# Allegro board HY_4S_V10.brd
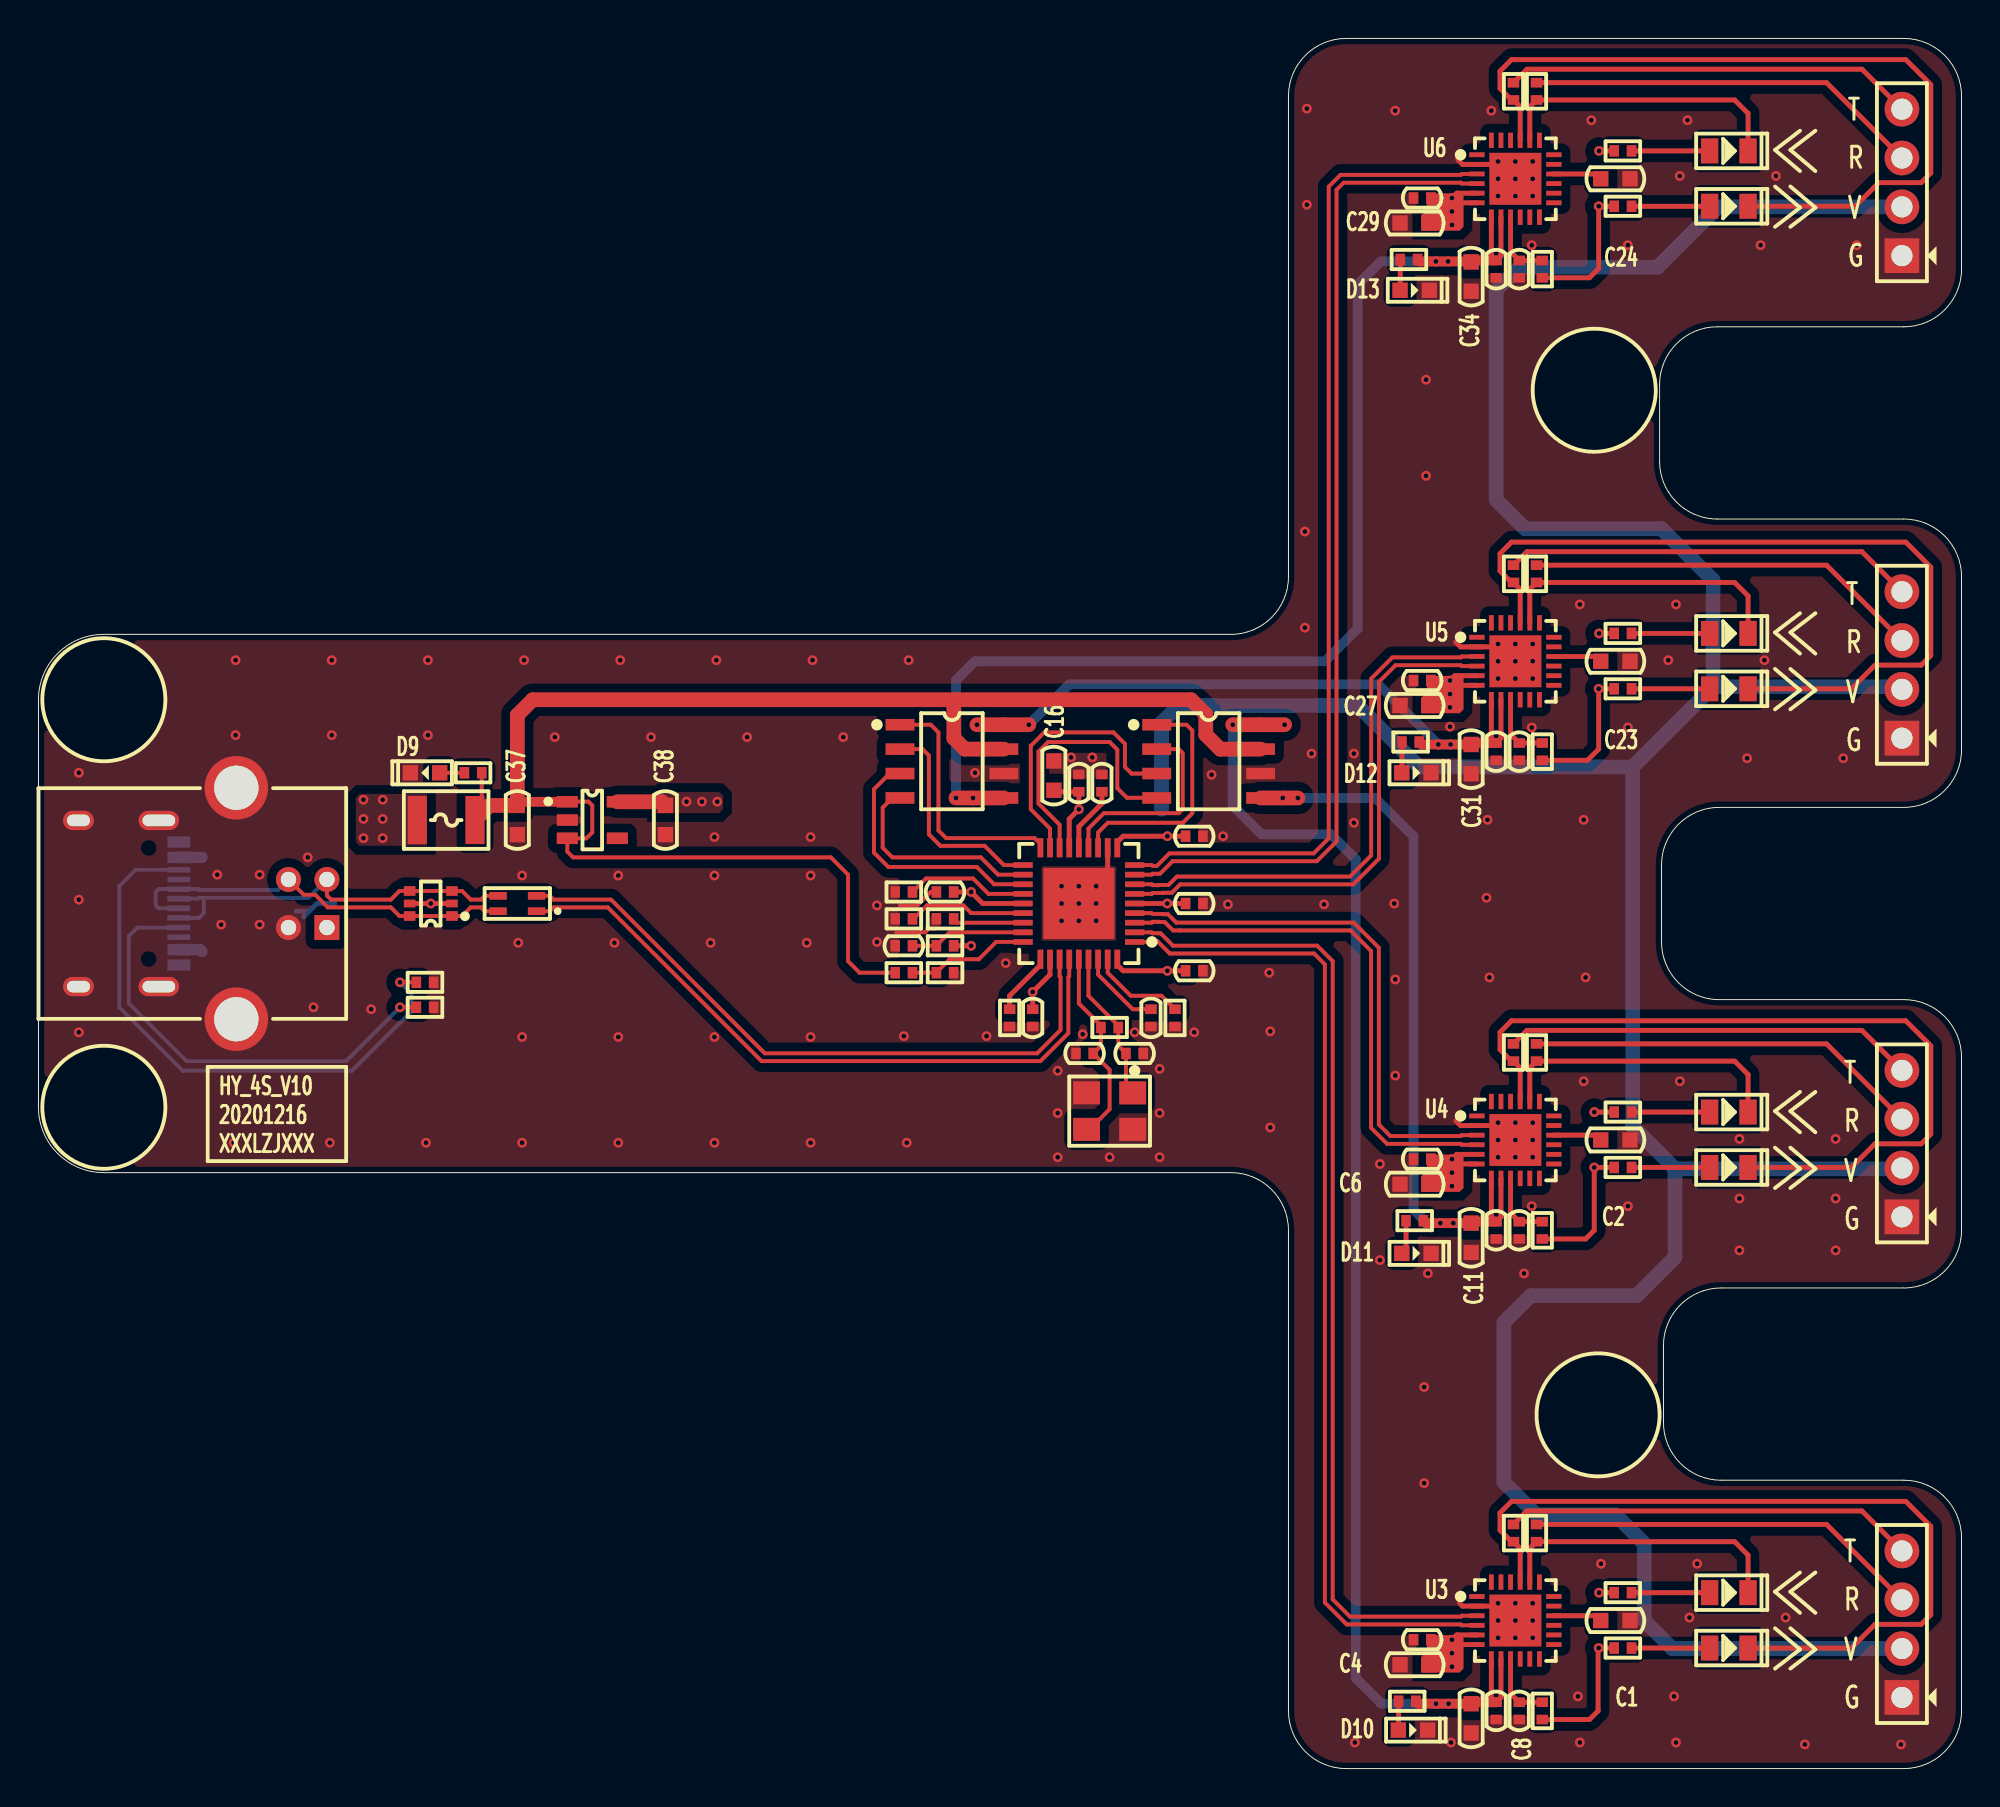
[diagram p0: board, top side]
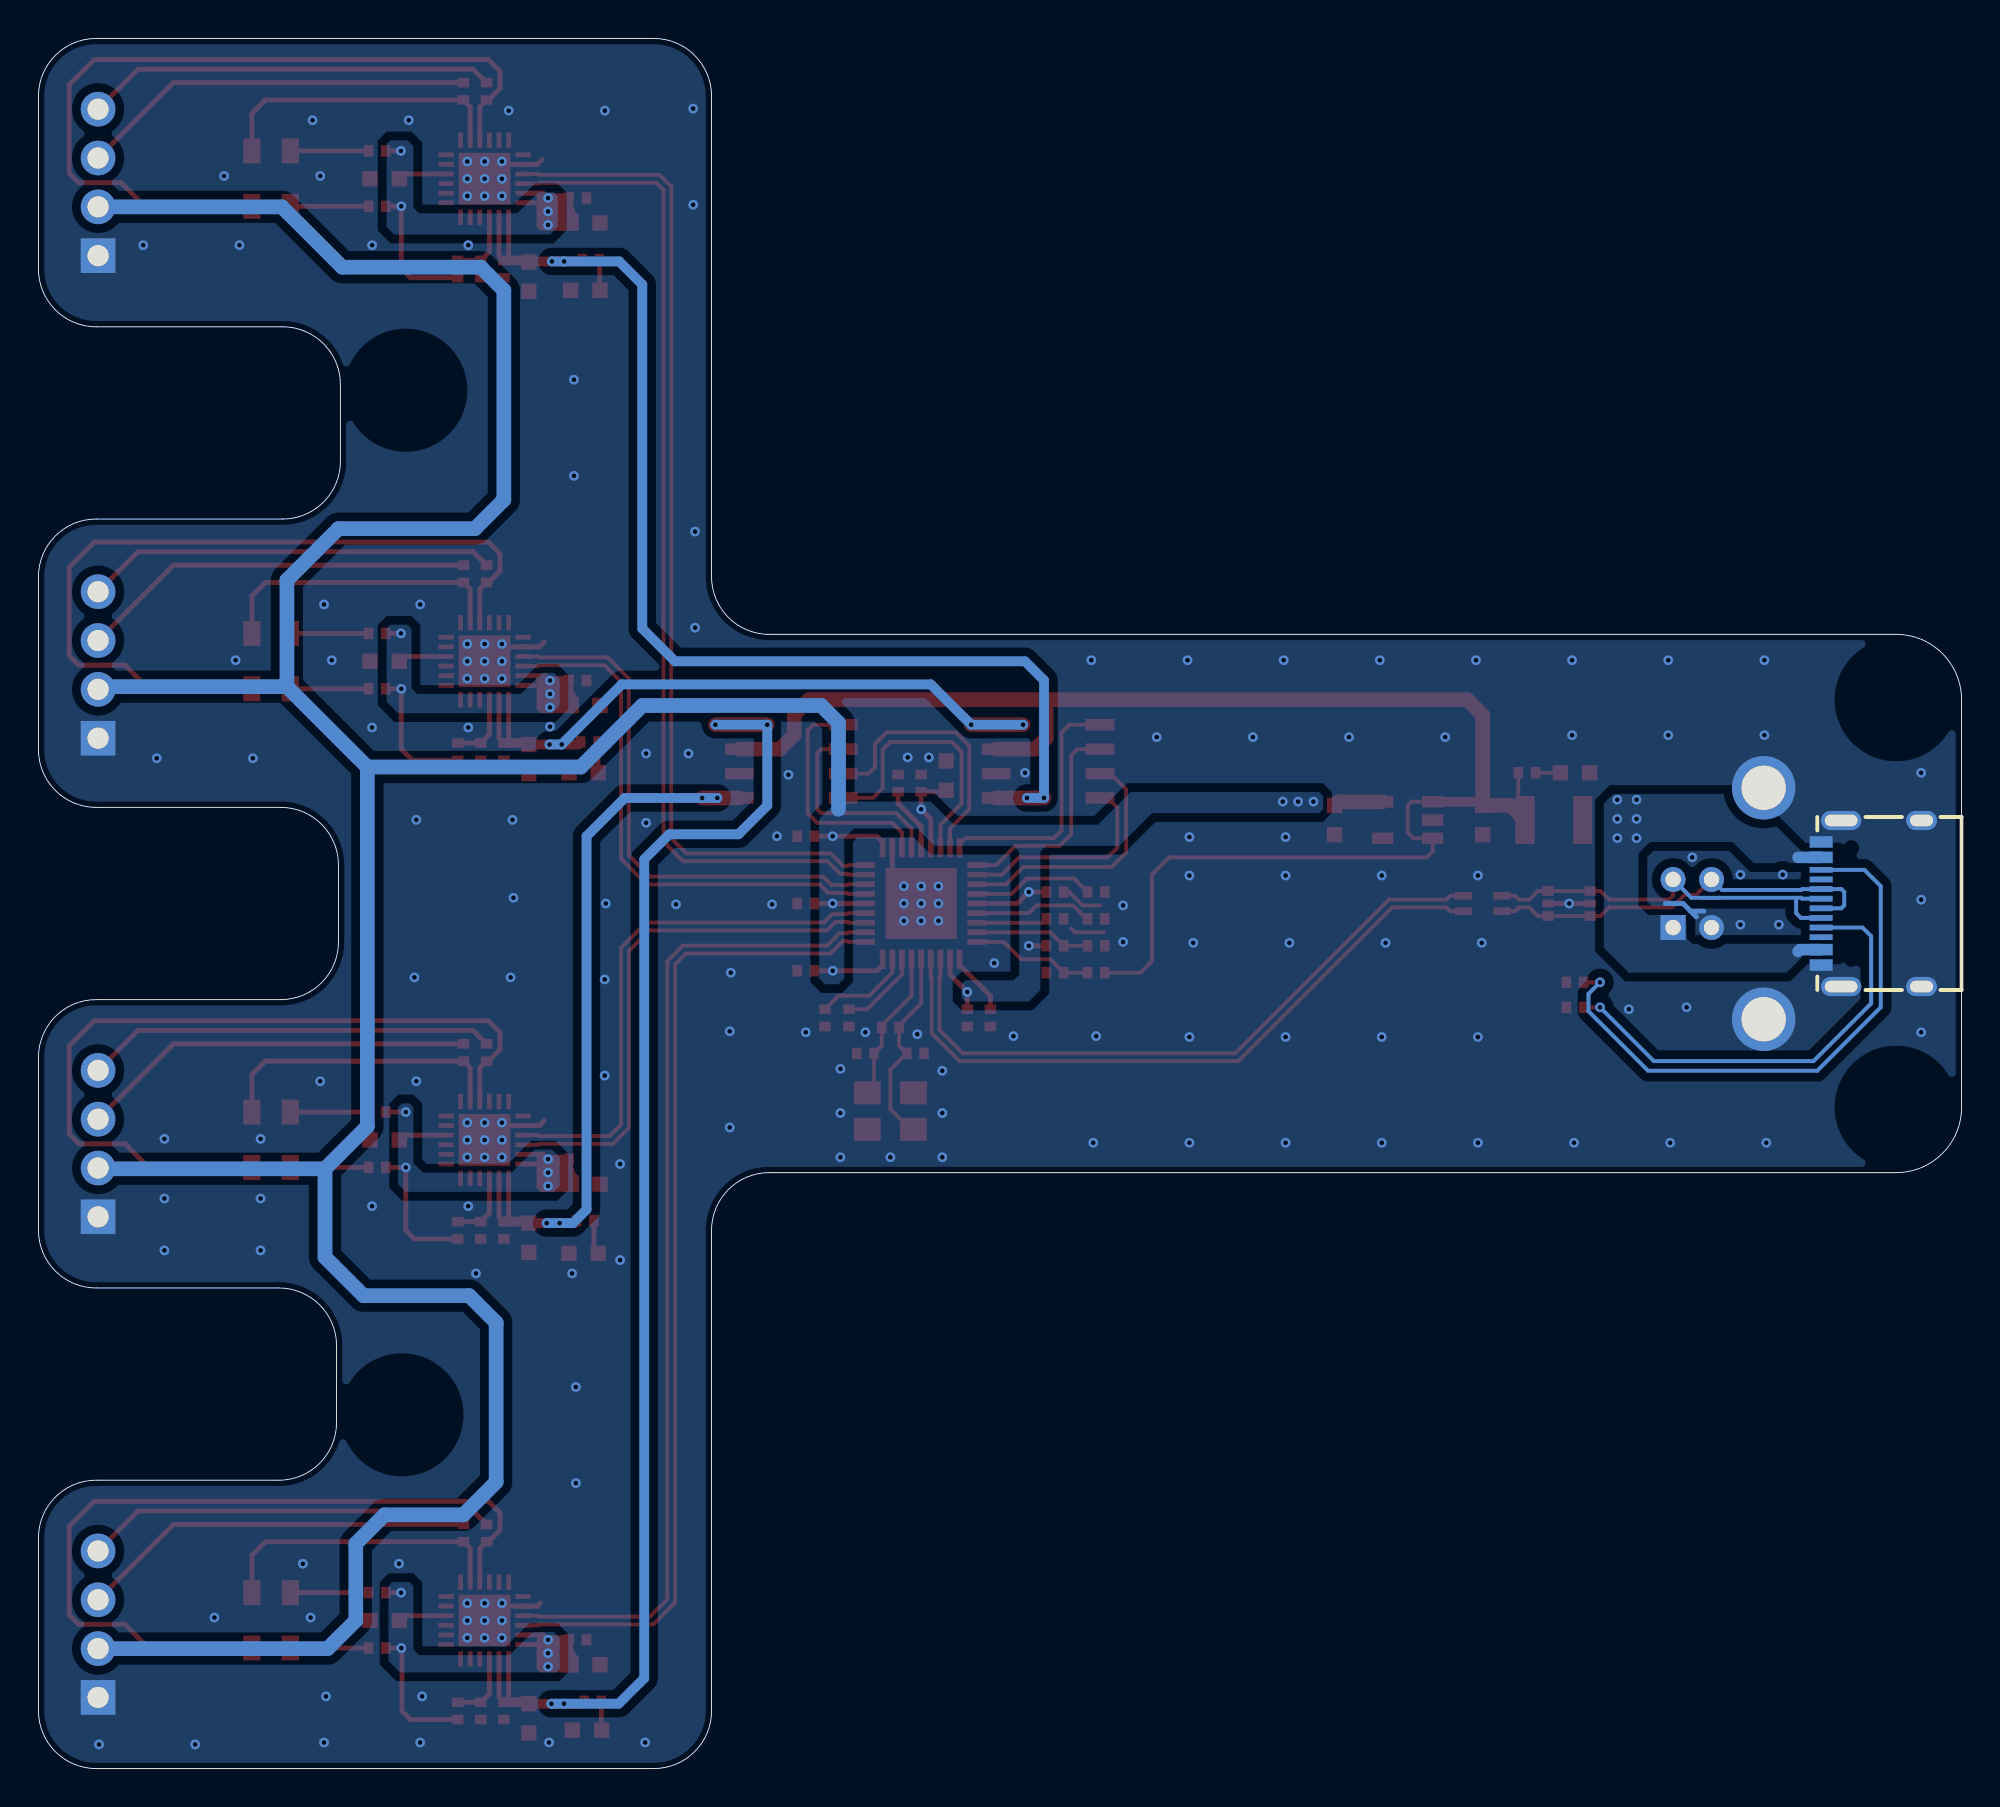
[diagram p1: board, bottom side, seen from below]

Outline 100 x 90 mm; copper layers: TOP, BOTTOM. Coordinates in mm from the lower left corner of the outline.
Outline path: 0,55.6 0,34.4 arc(1,32) 3.4,31 62,31 arc(64.12,30.12) 65,28 65,3 arc(65.88,0.88) 68,0 97,0 arc(99.12,0.88) 100,3 100,12 arc(99.12,14.12) 97,15 87.5,15 arc(85.38,15.88) 84.5,18 84.5,22 arc(85.38,24.12) 87.5,25 97,25 arc(99.12,25.88) 100,28 100,37 arc(99.12,39.12) 97,40 87.4,40 arc(85.28,40.88) 84.4,43 84.4,47 arc(85.28,49.12) 87.4,50 97,50 arc(99.12,50.88) 100,53 100,62 arc(99.12,64.12) 97,65 87.3,65 arc(85.18,65.88) 84.3,68 84.3,72 arc(85.18,74.12) 87.3,75 97,75 arc(99.12,75.88) 100,78 100,87 arc(99.12,89.12) 97,90 68,90 arc(65.88,89.12) 65,87 65,62 arc(64.12,59.88) 62,59 3.4,59 arc(1,58) 0,55.6

## Design rules (mm)
constraint set DEFAULT: min track width 0.203, pair gap 0.203
net group DIFFPAIR0: nets USBDN2_DM USBDN2_DP
net group DIFFPAIR1: nets USBDN3_DM USBDN3_DP
net group DIFFPAIR2: nets USBDN4_DM USBDN4_DP
net group USB_D: nets USB_DM USB_DP
net group USBDN1_D: nets USBDN1_DM USBDN1_DP
net group USBUP_D: nets USBUP_DM USBUP_DP

## Placement (name value [footprint] x y rotation side)
C1  10uF_10V  [C0603]  82 7.7 180 top
C2  10uF_10V  [C0603]  82 32.7 180 top
C3  100nF_50V  [C0402]  45 42.8 0 top
C4  10uF_10V  [C0603]  71.56 5.4 0 top
C5  100nF_50V  [C0402]  71.95 6.7 0 top
C6  10uF_10V  [C0603]  71.56 30.4 0 top
C7  100nF_50V  [C0402]  71.95 31.7 0 top
C8  10uF_10V  [C0603]  74.5 2.61 90 top
C9  100nF_50V  [C0402]  75.8 3 90 top
C10  100nF_50V  [C0402]  77 3 90 top
C11  10uF_10V  [C0603]  74.5 27.61 90 top
C12  100nF_50V  [C0402]  75.8 28 90 top
C13  100nF_50V  [C0402]  77 28 90 top
C14  100nF_50V  [C0402]  47.14 45.6 0 top
C15  100nF_50V  [C0402]  54.1 51.26 270 top
C16  10uF_10V  [C0603]  52.8 51.65 90 top
C17  100nF_50V  [C0402]  57.85 39.05 90 top
C18  100nF_50V  [C0402]  51.7 39.05 90 top
C19  100nF_50V  [C0402]  60.1 41.5 180 top
C20  100nF_50V  [C0402]  60.1 45 180 top
C21  100nF_50V  [C0402]  60.1 48.5 180 top
C22  100nF_50V  [C0402]  55.3 51.26 270 top
C23  10uF_10V  [C0603]  82 57.6 180 top
C24  10uF_10V  [C0603]  82 82.7 180 top
C25  12pF_50V  [C0402]  57 37.2 180 top
C26  12pF_50V  [C0402]  54.4 37.2 0 top
C27  10uF_10V  [C0603]  71.56 55.3 0 top
C28  100nF_50V  [C0402]  71.95 56.6 0 top
C29  10uF_10V  [C0603]  71.56 80.4 0 top
C30  100nF_50V  [C0402]  71.95 81.7 0 top
C31  10uF_10V  [C0603]  74.5 52.51 90 top
C32  100nF_50V  [C0402]  75.8 52.9 90 top
C33  100nF_50V  [C0402]  77 52.9 90 top
C34  10uF_10V  [C0603]  74.5 77.61 90 top
C35  100nF_50V  [C0402]  75.8 78 90 top
C36  100nF_50V  [C0402]  77 78 90 top
C37  10uF_10V  [C0603]  24.9 49.34 270 top
C38  10uF_10V  [C0603]  32.6 49.34 270 top
D1  LED_RED  [LED0805]  87.9 6.27 0 top
D2  LED_RED  [LED0805]  87.9 31.27 0 top
D3  LED_GREEN  [LED0805]  87.9 9.15 0 top
D4  LED_GREEN  [LED0805]  87.9 34.15 0 top
D5  LED_RED  [LED0805]  87.9 56.17 0 top
D6  LED_RED  [LED0805]  87.9 81.27 0 top
D7  LED_GREEN  [LED0805]  87.9 59.05 0 top
D8  LED_GREEN  [LED0805]  87.9 84.15 0 top
D9  LED_GREEN  [LED0603]  20.1 51.8 180 top
D10  LED_GREEN  [LED0603]  71.48 2 0 top
D11  LED_GREEN  [LED0603]  71.65 26.8 0 top
D12  LED_GREEN  [LED0603]  71.65 51.8 0 top
D13  LED_GREEN  [LED0603]  71.56 76.9 0 top
F1  SMD1210-200  [FUSE1210]  21.2 49.34 180 top
J1  -  [CN1X4-2P54-Z]  96.9 3.7 90 top
J2  -  [CN1X4-2P54-Z]  96.9 28.7 90 top
J3  -  [CN1X4-2P54-Z]  96.9 53.6 90 top
J4  -  [CN1X4-2P54-Z]  96.9 78.7 90 top
L1  ACM2012-900-2P-T002  [ACM2012]  24.9 45 180 top
NOREF  -  []  0 0 90 top
NOREF#2  -  []  0 0 0 top
R1  100K  [R0402]  45 41.4 0 top
R2  4.7K  [R0402]  20.1 39.6 180 top
R3  100K  [R0402]  47.14 41.4 180 top
R4  4.7K/NI  [R0402]  20.1 40.9 0 top
R5  4.7K  [R0402]  82.39 6.27 180 top
R6  4.7K  [R0402]  82.39 31.27 180 top
R7  4.7K  [R0402]  82.39 9.15 180 top
R8  4.7K  [R0402]  82.39 34.15 180 top
R9  1K  [R0402]  76.7 12.25 270 top
R10  1K  [R0402]  76.7 37.25 270 top
R11  100K  [R0402]  45 45.6 0 top
R12  1K  [R0402]  77.9 12.25 270 top
R13  1K  [R0402]  77.9 37.25 270 top
R14  100K  [R0402]  45 44.2 0 top
R15  100K  [R0402]  47.14 44.2 0 top
R16  100K  [R0402]  50.5 39.05 90 top
R17  100K  [R0402]  47.14 42.8 180 top
R18  12K  [R0402]  59.1 39.05 270 top
R19  10K  [R0402]  78.2 3 270 top
R20  10K  [R0402]  78.2 28 270 top
R21  4.7K  [R0402]  82.39 56.17 180 top
R22  4.7K  [R0402]  82.39 81.27 180 top
R23  4.7K  [R0402]  82.39 59.05 180 top
R24  4.7K  [R0402]  82.39 84.15 180 top
R25  1K  [R0402]  76.7 62.15 270 top
R26  1K  [R0402]  76.7 87.25 270 top
R27  1K  [R0402]  77.9 62.15 270 top
R28  1K  [R0402]  77.9 87.25 270 top
R29  10K  [R0402]  22.6 51.8 0 top
R30  10K  [R0402]  71.18 3.5 0 top
R31  1M  [R0402]  55.7 38.55 0 top
R32  10K  [R0402]  71.56 28.5 0 top
R33  10K  [R0402]  71.35 53.4 0 top
R34  10K  [R0402]  78.2 52.9 270 top
R35  10K  [R0402]  78.2 78 270 top
R36  10K  [R0402]  71.26 78.5 0 top
U1  USB2514B_QFN36_MIN  [QFN36-6X6X0R5-3R7X3R7]  54.1 45 90 top
U2  TPD4E1U06DCKR  [SOT363]  20.4 45 90 top
U3  CP2104-F03-GM  [QFN24-4X4X0R5-2R7X2R7]  76.8 7.7 270 top
U4  CP2104-F03-GM  [QFN24-4X4X0R5-2R7X2R7]  76.8 32.7 270 top
U5  CP2104-F03-GM  [QFN24-4X4X0R5-2R7X2R7]  76.8 57.6 270 top
U6  CP2104-F03-GM  [QFN24-4X4X0R5-2R7X2R7]  76.8 82.7 270 top
U7  NX3225GA-24MHZ  [X-4P-3R2X2R5-SMD]  55.7 34.2 180 top
U8  MIC2026-1YM  [SOIC8]  60.85 52.4 270 top
U9  SPX3819M5-L-3-3/TR  [SOT23-5]  28.8 49.34 270 top
U10  MIC2026-1YM  [SOIC8]  47.5 52.4 270 top
USB1  -  [TYPE-C-31-M-12]  7.3 45 90 bottom
USB2  -  [USB-B]  15 45 180 top

## Library data of the parts
C1 C2 C4-C13 C16 C23-C38 = CAP NP_2
C3 C14 C15 C17-C22 = CAP NP
D1-D13 = LED_4
F1 = FUSE
J1-J4 = CONN RCPT 4
L1 = 744822222_0
R1-R36 = R_Generic
U1 = USB2514B_QFN36_MIN
U2 = TPD4E1U06DBVR
U3-U6 = CP2104-F03-GM
U7 = TSX-3225
U8 U10 = MIC2026-1YM
U9 = SPX3819M5-L-1-2
USB1 = TYPE-C_16P
USB2 = USB-B

## Footprints (pads in the part's own frame, mm; a bottom-side part is the same pattern mirrored in y, then rotated)
ACM2012
  rect 0.9x0.4 smd: 1(-1,0.4) 2(-1,-0.4) 3(1,-0.4) 4(1,0.4)
C0402
  rect 0.5x0.6 smd: 1(-0.45,0) 2(0.45,0)
C0603
  rect 0.8x0.8 smd: 1(-0.762,0) 2(0.762,0)
CN1X4-2P54-Z
  rect 1.8x1.8 hole 1.1: 1(0,0)
  round 1.8 hole 1.1: 2(2.54,0) 3(5.08,0) 4(7.62,0)
FUSE1210
  rect 1x2.5 smd: 1(-1.5,0) 2(1.5,0)
LED0603
  rect 0.8x0.8 smd: 1(-0.762,0) 2(0.762,0)
LED0805
  rect 0.9x1.3 smd: 1(-1,0) 2(1,0)
QFN24-4X4X0R5-2R7X2R7
  rect 0.25x0.8 smd: 1(-1.25,-2) 2(-0.75,-2) 3(-0.25,-2) 4(0.25,-2) 5(0.75,-2) 6(1.25,-2) 13(1.25,2) 14(0.75,2) 15(0.25,2) 16(-0.25,2) 17(-0.75,2) 18(-1.25,2)
  rect 0.8x0.25 smd: 7(2,-1.25) 8(2,-0.75) 9(2,-0.25) 10(2,0.25) 11(2,0.75) 12(2,1.25) 19(-2,1.25) 20(-2,0.75) 21(-2,0.25) 22(-2,-0.25) 23(-2,-0.75) 24(-2,-1.25)
  rect 2.7x2.7 smd: 25(0,0)
QFN36-6X6X0R5-3R7X3R7
  rect 0.3x1 smd: 1(-2,-2.9) 2(-1.5,-2.9) 3(-1,-2.9) 4(-0.5,-2.9) 5(0,-2.9) 6(0.5,-2.9) 7(1,-2.9) 8(1.5,-2.9) 9(2,-2.9) 19(2,2.9) 20(1.5,2.9) 21(1,2.9) 22(0.5,2.9) 23(0,2.9) 24(-0.5,2.9) 25(-1,2.9) 26(-1.5,2.9) 27(-2,2.9)
  rect 1x0.3 smd: 10(2.9,-2) 11(2.9,-1.5) 12(2.9,-1) 13(2.9,-0.5) 14(2.9,0) 15(2.9,0.5) 16(2.9,1) 17(2.9,1.5) 18(2.9,2) 28(-2.9,2) 29(-2.9,1.5) 30(-2.9,1) 31(-2.9,0.5) 32(-2.9,0) 33(-2.9,-0.5) 34(-2.9,-1) 35(-2.9,-1.5) 36(-2.9,-2)
  rect 3.7x3.7 smd: 37(0,0)
R0402
  rect 0.5x0.6 smd: 1(-0.45,0) 2(0.45,0)
SOIC8
  rect 0.6x1.5 smd: 1(-1.9,-2.7) 2(-0.63,-2.7) 3(0.64,-2.7) 4(1.91,-2.7) 5(1.91,2.7) 6(0.64,2.7) 7(-0.63,2.7) 8(-1.9,2.7)
SOT23-5
  rect 0.6x1.1 smd: 1(-0.95,-1.3) 2(0,-1.3) 3(0.95,-1.3) 4(0.95,1.3) 5(-0.95,1.3)
SOT363
  rect 0.5x0.6 smd: 1(-0.65,-1.1) 3(0.65,-1.1) 4(0.65,1.1) 6(-0.65,1.1)
  rect 0.4x0.6 smd: 2(0,-1.1) 5(0,1.1)
TYPE-C-31-M-12
  rect 0.6x1.2 smd: 1(-3.2,0) 2(-2.4,0) 11(2.4,0) 12(3.2,0)
  rect 0.3x1.2 smd: 3(-1.75,0) 4(-1.25,0) 5(-0.75,0) 6(-0.25,0) 7(0.25,0) 8(0.75,0) 9(1.25,0) 10(1.75,0)
  oval 1x2.1 hole 0.6x1.7: 13(-4.32,-1.04) 14(4.32,-1.04)
  oval 1x1.6 hole 0.6x1.2: 15(-4.32,-5.22) 16(4.32,-5.22)
USB-B
  rect 1.3x1.3 hole 0.8: 1(0,1.25)
  round 1.3 hole 0.8: 2(0,-1.25) 3(2,-1.25) 4(2,1.25)
  round 3.3 hole 2.3: 5(4.71,6.02) 6(4.71,-6.02)
X-4P-3R2X2R5-SMD
  rect 1.4x1.2 smd: 1(-1.2,-0.95) 2(1.2,-0.95) 3(1.2,0.95) 4(-1.2,0.95)

## Nets
GND: C1.1 C2.1 C3.1 C4.1 C5.1 C6.1 C7.1 C8.1 C9.1 C10.1 C11.1 C12.1 C13.1 C14.1 C15.1 C16.2 C17.1 C18.1 C19.1 C20.1 C21.1 C22.1 C23.1 C24.1 C25.1 C26.1 C27.1 C28.1 C29.1 C30.1 C31.1 C32.1 C33.1 C34.1 C35.1 C36.1 C37.2 C38.2 D9.2(CATHODE) D10.2(CATHODE) D11.2(CATHODE) D12.2(CATHODE) D13.2(CATHODE) J1.1 J2.1 J3.1 J4.1 R2.1 R3.1 R4.2 R11.1 R14.1 R15.1 R16.1 R18.2 U1.11 U1.37 U2.2 U2.5(NC) U3.2 U3.25 U4.2 U4.25 U5.2 U5.25 U6.2 U6.25 U7.2 U7.4 U8.6 U9.2 U10.6 USB1.1 USB1.12 USB1.13 USB1.14 USB1.15 USB1.16 USB2.4 USB2.5 USB2.6
VCC_3.3V: C14.2 C15.2 C16.1 C18.2 C19.2 C20.2 C21.2 C38.1 J1.2 J2.2 J3.2 J4.2 R17.1 U1.5 U1.10 U1.15 U1.23 U1.29 U1.36 U9.5(VOUT)
VCC_3.3V_1: C4.2 C5.2 R5.2 R7.2 R19.2 U3.5 U3.6
VCC_3.3V_2: C6.2 C7.2 R6.2 R8.2 R20.2 U4.5 U4.6
VCC_3.3V_3: C27.2 C28.2 R21.2 R23.2 R34.2 U5.5 U5.6
VCC_3.3V_4: C29.2 C30.2 R22.2 R24.2 R35.2 U6.5 U6.6
VCC_5V_VBUS: C37.1 F1.1 R1.1 R29.2 U8.7 U9.1 U9.3 U10.7
VCC_PWR1: C8.2 C9.2 R30.2 U3.7 U3.8 U8.8
VCC_PWR2: C11.2 C12.2 R32.2 U4.7 U4.8 U8.5(OUTB)
VCC_PWR3: C31.2 C32.2 R33.2 U5.7 U5.8 U10.8
VCC_PWR4: C34.2 C35.2 R36.2 U6.7 U6.8 U10.5(OUTB)
VCC_VBUS: F1.2 USB1.2 USB1.11(VBUS2) USB2.1(VBUS)
1_RX: J1.3 R12.1
1_RXD: D3.2(CATHODE) R12.2 U3.20
1_TX: J1.4 R9.1
1_TXD: D1.2(CATHODE) R9.2 U3.21
2_RX: J2.3 R13.1
2_RXD: D4.2(CATHODE) R13.2 U4.20
2_TX: J2.4 R10.1
2_TXD: D2.2(CATHODE) R10.2 U4.21
3_RX: J3.3 R27.1
3_RXD: D7.2(CATHODE) R27.2 U5.20
3_TX: J3.4 R25.1
3_TXD: D5.2(CATHODE) R25.2 U5.21
4_RX: J4.3 R28.1
4_RXD: D8.2(CATHODE) R28.2 U6.20
4_TX: J4.4 R26.1
4_TXD: D6.2(CATHODE) R26.2 U6.21
OCS_N1: U1.13 U8.2
OCS_N2: U1.17 U8.3
OCS_N3: U1.19 U10.2
OCS_N4: U1.21 U10.3
PRTPWR1: U1.12 U8.1
PRTPWR2: U1.16 U8.4
PRTPWR3: U1.18 U10.1
PRTPWR4: U1.20 U10.4
RESETN: C3.2 R17.2 U1.26
USB_DM: L1.3 U2.3 U2.4 USB1.5 USB1.7 USB2.2
USB_DP: L1.4 U2.1 U2.6 USB1.6 USB1.8 USB2.3
USBDN1_DM: U1.1 U3.4
USBDN1_DP: U1.2 U3.3
USBDN2_DM: U1.3 U4.4
USBDN2_DP: U1.4 U4.3
USBDN3_DM: U1.6 U5.4
USBDN3_DP: U1.7 U5.3
USBDN4_DM: U1.8 U6.4
USBDN4_DP: U1.9 U6.3
USBUP_DM: L1.2 U1.30
USBUP_DP: L1.1 U1.31
XTAL1: C25.2 R31.2 U1.33 U7.1
XTAL2: C26.2 R31.1 U1.32(XTAL2/CLKIN_EN) U7.3(OUT2)
N17371022: D9.1 R29.1
N17384741: R1.2 R3.2 U1.27
N17384990: R16.2 U1.28
N17385565: C17.2 U1.34
N17385621: C22.2 U1.14
N17386850: R18.1 U1.35
N17387208: R11.2 U1.22
N17387211: R14.2 U1.24
N17387214: R15.2 U1.25
N17388288: D10.1 R30.1
N17388415: D11.1 R32.1
N17388544: D12.1 R33.1
N17388675: D13.1 R36.1
N17394522: R2.2 USB1.4
N17394640: R4.1 USB1.10
N17411939: C1.2 U3.16(VPP)
N17412003: C10.2 R19.1 U3.9
N17413251: D1.1 R5.1
N17413274: D3.1 R7.1
N17417091: D2.1 R6.1
N17417138: D4.1 R8.1
N17417225: C2.2 U4.16(VPP)
N17417293: C13.2 R20.1 U4.9
N17418237: D5.1 R21.1
N17418261: D6.1 R22.1
N17418335: D7.1 R23.1
N17418345: D8.1 R24.1
N17418508: C23.2 U5.16(VPP)
N17418513: C24.2 U6.16(VPP)
N17418635: C33.2 R34.1 U5.9
N17418661: C36.2 R35.1 U6.9

Pads without a net: U3 1 10 11 12 13 14 15 17 18 19 22 23 24; U4 1 10 11 12 13 14 15 17 18 19 22 23 24; U5 1 10 11 12 13 14 15 17 18 19 22 23 24; U6 1 10 11 12 13 14 15 17 18 19 22 23 24; U9 4; USB1 3 9

## Via types
v1: diameter 0.508, hole 0.254, TOP to BOTTOM, 236 vias

## Routing (per net, layer and track width the routed paths; a pad name or vN(x,y) marks a point on that pad's centre or on a via; arc(x,y) is an arc through that point)
GND: length 21.4
  TOP w0.203: 44.8,44.9 45.7,44.9 46.4,45.6 46.69,45.6 ; 46.3,43.7 46.1,43.5 44.6,43.5
  TOP w0.254: 73.8,83.7 74.05,83.45 U6.2 75.75,83.45 v1(75.9,83.6) ; v1(75.9,33.6) 75.75,33.45 U4.2 73.95,33.45 73.7,33.7 ; U2.5 v1(20.4,45) U2.2 ; 73.7,58.6 73.95,58.35 U5.2 75.75,58.35 v1(75.9,58.5) ; v1(75.9,8.6) 75.75,8.45 U3.2 74.05,8.45 73.9,8.6 ; U1.11 55.6,46.5 v1(55,45.9) v1(54.1,45)
  BOTTOM w0.254: 15.4,45 14.48,45 14.08,44.6 ; 13.4,44.6 14.08,44.6 ; 14.08,44.6 13.8,44.32 13.8,44.3
  vias: v1(2.1,51.8) v1(2.1,45.2) v1(2.1,38.3) v1(9.3,46.5) v1(9.5,43.9) v1(10.15,32.56) v1(10.25,57.66) v1(10.25,53.76) v1(11.5,46.5) v1(11.5,43.9) v1(14,47.4) v1(14.3,39.6) v1(15.15,32.56) v1(15.25,57.66) v1(15.25,53.76) v1(17.3,39.5) v1(20.15,32.56) v1(20.25,57.66) v1(20.25,53.76) v1(24.95,42.96) v1(25.15,46.46) v1(25.15,38.06) v1(25.15,32.56) v1(25.25,57.66) v1(26.85,53.66) v1(29.95,42.96) v1(30.15,46.46) v1(30.15,38.06) v1(30.15,32.56) v1(30.25,57.66) v1(31.85,53.66) v1(34.95,42.96) v1(35.15,48.46) v1(35.15,46.46) v1(35.15,38.06) v1(35.15,32.56) v1(35.25,57.66) v1(36.85,53.66) v1(39.95,42.96) v1(40.15,48.46) v1(40.15,46.46) v1(40.15,38.06) v1(40.15,32.56) v1(40.25,57.66) v1(41.85,53.66) v1(43.6,44.9) v1(43.6,43) v1(45,38.1) v1(45.15,32.56) v1(45.25,57.66) v1(48.7,51.8) v1(49.3,38.1) v1(50.3,41.9) v1(53,36.3) v1(53,34.1) v1(53,31.8) v1(53.2,45.9) v1(53.2,45) v1(53.2,44.1) v1(53.7,52.6) v1(54.1,45.9) v1(54.1,44.1) v1(54.3,38.2) v1(54.8,52.6) v1(55,45) v1(55,44.1) v1(55.7,31.8) v1(57,38.3) v1(58.3,36.4) v1(58.3,34.1) v1(58.3,31.8) v1(60.1,38.3) v1(61,51.7) v1(61.6,48.5) v1(61.85,44.96) v1(64,41.4) v1(64.06,38.35) v1(64.06,33.35) v1(65.86,64.35) v1(65.86,59.35) v1(65.96,86.35) v1(65.96,81.35) v1(66.2,52.8) v1(66.85,44.96) v1(68.4,52.8) v1(68.4,49.2) v1(68.45,1.36) v1(69.76,31.45) v1(69.76,26.45) v1(70.55,86.24) v1(70.5,45) v1(70.56,41.05) v1(70.56,36.05) v1(72.06,19.85) v1(72.06,14.85) v1(72.16,72.25) v1(72.16,67.25) v1(72.25,25.76) v1(73.4,54.2) v1(73.45,1.36) v1(75.3,45.3) v1(75.35,49.36) v1(75.55,86.24) v1(75.45,41.16) v1(75.9,82.7) v1(75.9,81.8) v1(75.9,57.6) v1(75.9,56.7) v1(75.9,32.7) v1(75.9,31.8) v1(75.9,7.7) v1(75.9,6.8) v1(76.8,83.6) v1(76.8,82.7) v1(76.8,81.8) v1(76.8,58.5) v1(76.8,57.6) v1(76.8,56.7) v1(76.8,33.6) v1(76.8,32.7) v1(76.8,31.8) v1(76.8,8.6) v1(76.8,7.7) v1(76.8,6.8) v1(77.25,25.76) v1(77.65,79.24) v1(77.7,83.6) v1(77.7,82.7) v1(77.7,81.8) v1(77.7,58.5) v1(77.7,57.6) v1(77.7,56.7) v1(77.65,54.16) v1(77.7,33.6) v1(77.7,32.7) v1(77.7,31.8) v1(77.65,29.26) v1(77.7,8.6) v1(77.7,7.7) v1(77.7,6.8) v1(80.05,3.76) v1(80.15,60.56) v1(80.15,1.36) v1(80.35,49.36) v1(80.35,35.76) v1(80.45,41.16) v1(80.75,85.74) v1(81.25,10.66) v1(82.65,79.24) v1(82.65,54.16) v1(82.65,29.26) v1(84.75,57.66) v1(85.05,3.76) v1(85.15,60.56) v1(85.15,1.36) v1(85.35,82.84) v1(85.35,35.76) v1(85.75,85.74) v1(85.85,7.86) v1(86.25,10.66) v1(88.45,32.76) v1(88.45,29.66) v1(88.45,26.96) v1(88.85,52.56) v1(89.55,79.24) v1(89.75,57.66) v1(90.35,82.84) v1(90.85,7.86) v1(91.85,1.26) v1(93.45,32.76) v1(93.45,29.66) v1(93.45,26.96) v1(93.85,52.56) v1(94.55,79.24) v1(96.85,1.26)
VCC_3.3V: length 207.7
  TOP w0.254: C19.2 v1(58.7,41.5) 56.4,41.5 56.1,41.8 U1.36 ; C16.1 52.88,50.81 C15.2 v1(54.1,49.9) 53.6,49.4 U1.15 ; R17.1 v1(48.5,42.8) ; C21.2 v1(58.7,48.5) 56.4,48.5 56.1,48.2 U1.10 ; C14.2 v1(48.5,45.6) 49.1,45 U1.23 ; C20.2 v1(58.7,45) U1.5 ; C18.2 v1(51.7,40.4) 52.6,41.3 U1.29
  TOP w0.762: U9.5 32.41,50.29 C38.1
  BOTTOM w0.762: 87.08,56.28 96.76,56.28 J3.2 ; 87.08,56.28 87.08,61.82 84.4,64.5 77.3,64.5 75.8,66 75.8,76.9 77,78.1 84.2,78.1 87.34,81.24 J4.2 ; 87.08,56.28 82.9,52.1 ; J1.2 84.96,6.24 83.5,7.7 83.5,11.7 82,13.2 77.9,13.2 76.2,14.9 76.2,23.2 77.6,24.6 83.1,24.6 85.1,26.6 85.1,31.2 ; 82.9,52.1 82.9,33.4 85.1,31.2 ; 82.9,52.1 71.8,52.1 68.6,55.3 59.3,55.3 58.4,54.4 58.4,49.9 ; 85.1,31.2 96.86,31.2 J2.2
  vias: v1(33.7,50.3) v1(34.5,50.3) v1(35.3,50.3)
VCC_3.3V_1: length 10.3
  TOP w0.254: U3.5 73.75,6.95 v1(73.5,6.7) ; R7.2 v1(81.15,9.15) ; 73.9,6.4 73.95,6.45 U3.6 ; R19.2 80.65,2.55 81.1,3 81.1,6.24 v1(81.13,6.27) R5.2
  vias: v1(73.5,6) v1(73.5,5.3)
VCC_3.3V_2: length 10.6
  TOP w0.254: 73.9,31.4 73.95,31.45 U4.6 ; R6.2 v1(80.9,31.27) 80.9,28 80.45,27.55 R20.2 ; R8.2 v1(80.9,34.15) ; v1(73.5,31.7) 73.75,31.95 U4.5
  vias: v1(73.5,31) v1(73.5,30.3)
VCC_3.3V_3: length 10.3
  TOP w0.254: R23.2 v1(81.15,59.05) ; R21.2 v1(81.13,56.17) 81.13,53.03 80.55,52.45 R34.2 ; 73.9,56.3 73.95,56.35 U5.6 ; v1(73.4,56.6) 73.65,56.85 U5.5
  vias: v1(73.4,55.9) v1(73.4,55.2)
VCC_3.3V_4: length 10.3
  TOP w0.254: R22.2 v1(81.13,81.27) 81.13,78.03 80.65,77.55 R35.2 ; v1(73.5,81.7) 73.75,81.95 U6.5 ; R24.2 v1(81.15,84.15) ; 73.9,81.4 73.95,81.45 U6.6
  vias: v1(73.5,81) v1(73.5,80.3)
VCC_5V_VBUS: length 84.7
  TOP w0.203: R29.2 23.05,49.69 ; U9.1 27.51,50.3 28.6,50.3 28.8,50.1 28.8,48.7 28.49,48.39 U9.3 27.5,47.7 27.8,47.4 41.2,47.4 42.1,46.5 42.1,42 42.7,41.4 R1.1
  TOP w0.508: C37.1 25.09,50.29 U9.1
  TOP w0.762: F1.1 23.46,50.1 C37.1 24.9,54.8 25.7,55.6 47.6,55.6 ; U8.7 61.45,53.03 60.7,53.78 60.7,54.84 59.94,55.6 47.6,55.6 ; 47.6,55.6 47.6,53.6 48.17,53.03 U10.7
VCC_PWR1: length 74.1
  TOP w0.254: U3.8 76.05,3.7 C9.2 75.55,3.7 U3.7
  TOP w0.508: C9.2 74.58,3.45 C8.2 v1(73.33,3.37) v1(72.67,3.37) 71.75,3.37 R30.2
  TOP w0.762: v1(62.1,54.3) U8.8 v1(64.8,54.3)
  BOTTOM w0.508: v1(73.33,3.37) v1(72.67,3.37) 69.83,3.37 68.5,4.7 68.5,47.3 67.2,48.6 63.6,48.6 62.1,50.1 v1(62.1,54.3) v1(64.8,54.3)
VCC_PWR2: length 39.9
  TOP w0.254: U4.7 75.55,28.7 C12.2 76.05,28.7 U4.8
  TOP w0.508: R32.2 72.14,28.37 v1(72.9,28.37) v1(73.57,28.37) C11.2 74.58,28.45 C12.2
  TOP w0.762: v1(65.49,50.49) v1(64.7,50.49) U8.5
  BOTTOM w0.508: v1(73.57,28.37) v1(72.9,28.37) 72.21,28.37 71.5,29.08 71.5,48.5 69.51,50.49 v1(65.49,50.49) v1(64.7,50.49)
VCC_PWR3: length 38.3
  TOP w0.254: U5.8 76.05,53.6 C32.2 75.55,53.6 U5.7
  TOP w0.508: R33.2 71.93,53.27 v1(72.79,53.27) v1(73.43,53.27) C31.2 74.58,53.35 C32.2
  TOP w0.762: v1(48.8,54.3) U10.8 v1(51.5,54.3)
  BOTTOM w0.508: v1(73.43,53.27) v1(72.79,53.27) 69.67,56.4 53.6,56.4 v1(51.5,54.3) v1(48.8,54.3)
VCC_PWR4: length 63.5
  TOP w0.254: U6.8 76.05,78.7 C35.2 75.55,78.7 U6.7
  TOP w0.508: R36.2 71.81,78.4 v1(72.67,78.4) v1(73.3,78.4) 74.47,78.4 C34.2 74.58,78.45 C35.2
  TOP w0.762: U10.5 v1(48.6,50.49) v1(47.71,50.49)
  BOTTOM w0.508: v1(73.3,78.4) v1(72.67,78.4) 69.8,78.4 68.6,77.2 68.6,59.3 66.9,57.6 48.7,57.6 47.71,56.61 v1(47.71,50.49) v1(48.6,50.49)
VCC_VBUS: length 2.4
  BOTTOM w0.6: USB1.2 8.4,42.6 8.5,42.5 ; USB1.11 8.5,47.4
  vias: v1(16.9,50.4) v1(16.9,49.4) v1(16.9,48.4) v1(17.9,50.4) v1(17.9,49.4) v1(17.9,48.4)
1_RX: length 20.6
  TOP w0.254: R12.1 92.98,12.7 J1.3
1_RXD: length 15.5
  TOP w0.254: U3.20 77.55,11.45 R12.2 88.2,11.8 88.9,11.1 D3.2
1_TX: length 21.4
  TOP w0.254: J1.4 94.82,13.4 77.4,13.4 R9.1
1_TXD: length 42.1
  TOP w0.254: U3.21 77.05,11.45 R9.2 76.6,11.8 76,12.4 76,13.3 76.6,13.9 97.1,13.9 98.4,12.6 98.4,8 97.9,7.5 95.5,7.5 94.27,6.27 D1.2
2_RX: length 20.6
  TOP w0.254: J2.3 92.98,37.7 R13.1
2_RXD: length 15.5
  TOP w0.254: U4.20 77.55,36.45 R13.2 88.2,36.8 88.9,36.1 D4.2
2_TX: length 21.4
  TOP w0.254: J2.4 94.82,38.4 77.4,38.4 R10.1
2_TXD: length 42.1
  TOP w0.254: D2.2 94.27,31.27 95.5,32.5 97.9,32.5 98.4,33 98.4,37.6 97.1,38.9 76.6,38.9 76,38.3 76,37.4 76.6,36.8 R10.2 77.05,36.45 U4.21
3_RX: length 20.6
  TOP w0.254: R27.1 92.98,62.6 J3.3
3_RXD: length 15.5
  TOP w0.254: D7.2 88.9,61 88.2,61.7 R27.2 77.55,61.35 U5.20
3_TX: length 21.4
  TOP w0.254: R25.1 77.4,63.3 94.82,63.3 J3.4
3_TXD: length 42.1
  TOP w0.254: U5.21 77.05,61.35 R25.2 76.6,61.7 76,62.3 76,63.2 76.6,63.8 97.1,63.8 98.4,62.5 98.4,57.9 97.9,57.4 95.5,57.4 94.27,56.17 D5.2
4_RX: length 20.6
  TOP w0.254: J4.3 92.98,87.7 R28.1
4_RXD: length 15.5
  TOP w0.254: D8.2 88.9,86.1 88.2,86.8 R28.2 77.55,86.45 U6.20
4_TX: length 21.4
  TOP w0.254: R26.1 77.4,88.4 94.82,88.4 J4.4
4_TXD: length 42.1
  TOP w0.254: D6.2 94.47,81.27 95.7,82.5 97.9,82.5 98.4,83 98.4,87.6 97.1,88.9 76.6,88.9 76,88.3 76,87.4 76.6,86.8 R26.2 77.05,86.45 U6.21
OCS_N1: length 10.7
  TOP w0.203: U1.13 54.6,48.9 55.4,49.7 59.3,49.7 59.5,49.9 59.5,52.83 59.3,53.03 U8.2
OCS_N2: length 14.1
  TOP w0.203: U8.3 56.84,51.76 56.5,52.1 56.5,53.3 55.9,53.9 52.3,53.9 51.6,53.2 51.6,49.9 52.6,48.9 U1.17
OCS_N3: length 11.3
  TOP w0.203: U10.2 45.97,53.03 46.3,52.7 46.3,48.6 46.9,48 49.2,48 50.2,47 U1.19
OCS_N4: length 13.4
  TOP w0.203: U10.3 44.26,51.76 43.44,50.94 43.44,47.65 44.19,46.9 48.79,46.9 49.69,46 U1.21
PRTPWR1: length 12.4
  TOP w0.203: U8.1 59.7,54.3 60,54 60,49.69 59.51,49.2 55.61,49.2 55.1,48.69 U1.12
PRTPWR2: length 14.2
  TOP w0.203: U1.16 53.1,49.1 52,50.2 52,52.9 52.5,53.4 55.7,53.4 56.1,53 56.1,51 56.6,50.5 58.14,50.5 U8.4
PRTPWR3: length 13.1
  TOP w0.203: U1.18 52.1,48.1 51.8,48.4 47.2,48.4 46.8,48.8 46.8,53.9 46.4,54.3 U10.1
PRTPWR4: length 11.1
  TOP w0.203: U10.4 44.4,50.49 43.9,49.99 43.9,47.9 44.4,47.4 49,47.4 49.9,46.5 U1.20
RESETN: length 6
  TOP w0.203: C3.2 46.69,42.8 46.69,42.81 47.38,43.5 U1.26
USB_DM: length 20.6
  TOP w0.203: L1.3 23.21,45.4 23.02,45.2 22.48,45.2 22.03,45.65 U2.3 U2.4 18.77,45.65 18.32,45.2 15.22,45.2 15,45.42 USB2.2
  BOTTOM w0.203: 8.6,45.3 8.33,45.3 8.29,45.25 USB1.7 ; 8.6,45.3 12.62,45.3 12.62,45.3 13.4,45.3 13.4,45.3 14.05,45.3 USB2.2 ; 8.6,45.3 8.6,44.5 8.35,44.25 USB1.5
USB_DP: length 21.1
  TOP w0.203: USB2.3 13.8,45.45 14.39,45.45 15.05,44.8 18.32,44.8 18.77,44.35 U2.6 U2.1 22.03,44.35 22.48,44.8 23.02,44.8 23.21,44.6 L1.4
  BOTTOM w0.203: USB1.6 6.25,44.75 6.1,44.9 6.1,45.6 6.25,45.75 USB1.8 8.29,45.75 8.33,45.7 12.45,45.7 USB2.3
USBDN1_DM: length 52
  TOP w0.203: U3.4 74.02,7.45 73.97,7.5 68.03,7.5 66.89,8.63 66.89,41.83 66.33,42.4 58.83,42.4 58.18,43.05 57.93,43.05 57.88,43 U1.1
USBDN1_DP: length 52
  TOP w0.203: U1.2 57.88,43.5 57.93,43.45 58.35,43.45 58.99,42.81 66.49,42.81 67.3,42 67.3,8.8 68.2,7.9 73.97,7.9 74.02,7.95 U3.3
USBDN2_DM: length 28
  TOP w0.203: U4.4 74.02,32.45 73.97,32.5 70.13,32.5 69.29,33.33 69.29,42.53 68.23,43.6 59.34,43.6 59,43.6 58.57,44.03 58.3,44.03 58.29,44.05 57.93,44.05 57.88,44 U1.3
USBDN2_DP: length 28
  TOP w0.203: U4.3 74.02,32.95 73.97,32.9 70.3,32.9 69.7,33.5 69.7,42.7 68.39,44.01 59.17,44.01 58.73,44.44 58.47,44.44 58.46,44.45 57.93,44.45 57.88,44.5 U1.4
USBDN3_DM: length 28.1
  TOP w0.203: U1.6 57.88,45.5 57.93,45.55 58.46,45.55 58.47,45.56 58.93,45.56 59.37,45.99 68.37,45.99 69.71,47.33 69.71,56.53 70.57,57.4 73.97,57.4 74.02,57.35 U5.4
USBDN3_DP: length 28.1
  TOP w0.203: U1.7 57.88,46 57.93,45.95 58.29,45.95 58.3,45.97 58.77,45.97 59.2,46.4 68.2,46.4 69.3,47.5 69.3,56.7 70.4,57.8 73.97,57.8 74.02,57.85 U5.3
USBDN4_DM: length 52.6
  TOP w0.203: U6.4 74.02,82.45 73.97,82.5 67.87,82.5 67.5,82.13 67.5,48.23 66.47,47.2 58.97,47.2 58.32,46.55 57.93,46.55 57.88,46.5 U1.8
USBDN4_DP: length 52.6
  TOP w0.203: U1.9 57.88,47 57.93,46.95 58.15,46.95 58.81,47.61 66.31,47.61 67.09,48.39 67.09,82.29 67.7,82.9 73.97,82.9 74.02,82.95 U6.3
USBUP_DM: length 34.8
  TOP w0.203: L1.2 26.59,45.4 26.78,45.2 29.77,45.2 37.77,37.21 51.93,37.21 53.15,38.42 53.15,41.17 53.1,41.22 U1.30
USBUP_DP: length 35.5
  TOP w0.203: U1.31 53.6,41.22 53.55,41.17 53.55,38.25 52.1,36.8 37.6,36.8 29.6,44.8 26.78,44.8 26.59,44.6 L1.1
XTAL1: length 7.9
  TOP w0.203: U7.1 56.55,35.5 C25.2 56.15,37.6 R31.2 56.15,38.65 54.6,40.2 U1.33
XTAL2: length 10.4
  TOP w0.203: U7.3 54.65,33.25 55.7,34.3 55.7,36.35 C26.2 55.25,37.6 R31.1 55.25,38.65 54.1,39.8 U1.32
N17371022: length 1.3
  TOP w0.203: R29.1 D9.1
N17384741: length 6.4
  TOP w0.203: R1.2 46.69,41.4 46.69,41.41 47.38,42.1 48.9,42.1 49.8,43 U1.27
N17384990: length 3.3
  TOP w0.254: U1.28 52.1,41.8 50.5,40.2 R16.2
N17385565: length 4.3
  TOP w0.203: U1.34 55.1,41.3 56.9,39.5 C17.2
N17385621: length 3.4
  TOP w0.254: U1.14 54.1,49 55.3,50.2 C22.2
N17386850: length 5
  TOP w0.203: R18.1 58.4,40.2 56.8,40.2 55.6,41.4 U1.35
N17387208: length 6.4
  TOP w0.203: U1.22 49.4,45.5 48.6,46.3 46.15,46.3 R11.2
N17387211: length 6.2
  TOP w0.203: R14.2 45.5,44.2 45.84,44.54 45.85,44.54 46.2,44.9 48.1,44.9 48.5,44.5 U1.24
N17387214: length 3.7
  TOP w0.203: R15.2 47.79,44 U1.25
N17388288: length 1.5
  TOP w0.254: R30.1 70.73,2.01 D10.1
N17388415: length 1.8
  TOP w0.254: D11.1 71.11,27.02 R32.1
N17388544: length 1.6
  TOP w0.254: R33.1 70.9,51.81 D12.1
N17388675: length 1.6
  TOP w0.254: D13.1 70.81,76.91 R36.1
N17394522: length 23.6
  TOP w0.203: v1(18.8,39.6) R2.2
  BOTTOM w0.203: v1(18.8,39.6) 16,36.8 7.7,36.8 4.7,39.8 4.7,43.3 5.15,43.75 USB1.4
N17394640: length 30.2
  TOP w0.203: R4.1 v1(18.8,40.9)
  BOTTOM w0.203: USB1.10 5.05,46.75 4.2,45.9 4.2,39.6 7.5,36.3 16.3,36.3 19.4,39.4 19.4,40.3 v1(18.8,40.9)
N17411939: length 2.5
  TOP w0.254: C1.2 80.99,7.95 U3.16
N17412003: length 3.6
  TOP w0.254: R19.1 C10.2 76.55,3.9 U3.9
N17413251: length 4.1
  TOP w0.254: R5.1 D1.1
N17413274: length 4.1
  TOP w0.254: R7.1 D3.1
N17417091: length 4.1
  TOP w0.254: R6.1 D2.1
N17417138: length 4.1
  TOP w0.254: R8.1 D4.1
N17417225: length 2.5
  TOP w0.254: U4.16 80.99,32.95 C2.2
N17417293: length 3.6
  TOP w0.254: R20.1 C13.2 76.55,28.9 U4.9
N17418237: length 4.1
  TOP w0.254: R21.1 D5.1
N17418261: length 4.1
  TOP w0.254: R22.1 D6.1
N17418335: length 4.1
  TOP w0.254: R23.1 D7.1
N17418345: length 4.1
  TOP w0.254: R24.1 D8.1
N17418508: length 2.5
  TOP w0.254: U5.16 80.99,57.85 C23.2
N17418513: length 2.5
  TOP w0.254: C24.2 80.99,82.95 U6.16
N17418635: length 3.6
  TOP w0.254: U5.9 76.55,53.8 C33.2 R34.1
N17418661: length 3.6
  TOP w0.254: U6.9 76.55,78.9 C36.2 R35.1

## Copper pours and planes (outline as drawn; the poured copper is in the pictures)
GND on TOP: 97,89.7 98.91,88.91 99.7,87 99.7,78 98.91,76.09 97,75.3 87.3,75.3 84.97,74.33 84,72 84,68 84.97,65.67 87.3,64.7 97,64.7 98.91,63.91 99.7,62 99.7,53 98.91,51.09 97,50.3 87.4,50.3 85.07,49.33 84.1,47 84.1,43 85.07,40.67 87.4,39.7 97,39.7 98.91,38.91 99.7,37 99.7,28 98.91,26.09 97,25.3 87.5,25.3 85.17,24.33 84.2,22 84.2,18 85.17,15.67 87.5,14.7 97,14.7 98.91,13.91 99.7,12 99.7,3 98.91,1.09 97,0.3 68,0.3 66.09,1.09 65.3,3 65.3,28 64.33,30.33 62,31.3 3.4,31.3 1.21,32.21 0.3,34.4 0.3,55.6 1.21,57.79 3.4,58.7 62,58.7 64.33,59.67 65.3,62 65.3,87 66.09,88.91 68,89.7 ; 13 cut-outs
GND on BOTTOM: 97,89.7 98.91,88.91 99.7,87 99.7,78 98.91,76.09 97,75.3 87.3,75.3 84.97,74.33 84,72 84,68 84.97,65.67 87.3,64.7 97,64.7 98.91,63.91 99.7,62 99.7,53 98.91,51.09 97,50.3 87.4,50.3 85.07,49.33 84.1,47 84.1,43 85.07,40.67 87.4,39.7 97,39.7 98.91,38.91 99.7,37 99.7,28 98.91,26.09 97,25.3 87.5,25.3 85.17,24.33 84.2,22 84.2,18 85.17,15.67 87.5,14.7 97,14.7 98.91,13.91 99.7,12 99.7,3 98.91,1.09 97,0.3 68,0.3 66.09,1.09 65.3,3 65.3,28 64.33,30.33 62,31.3 3.4,31.3 1.21,32.21 0.3,34.4 0.3,55.6 1.21,57.79 3.4,58.7 62,58.7 64.33,59.67 65.3,62 65.3,87 66.09,88.91 68,89.7 ; 3 cut-outs
VCC_3.3V on TOP: 32.1,49.7 35.4,49.7 35.6,49.9 35.6,50.6 35.4,50.8 32.4,50.8 32.1,50.5
VCC_3.3V on BOTTOM: 33.4,50.8 43.2,50.8 44.9,49.1 52.4,49.1 53.6,50.3 58.5,50.3 59.4,49.4 59.4,41.1 59.1,40.8 58.4,40.8 58.1,41.1 58.1,48.4 57.6,48.9 54.3,48.9 53.4,48 49.3,48 49,47.7 49,41.3 49.3,41 51.8,41 52,40.8 52,40.1 51.8,39.9 48.5,39.9 47.9,40.5 47.9,47.7 47.6,48 43.8,48 42.1,49.7 33.4,49.7 33.2,49.9 33.2,50.6
VCC_3.3V_1 on TOP (solid shape): 73.81,6.93 73.9,6.9 74,6.89 74.07,6.86 74.1,6.79 74.1,5.2 73.9,5 71.9,5 71.9,5.8 72.1,6 72.1,6.1 72.12,6.13 72.19,6.26 72.21,6.4 72.21,6.94 73.79,6.94
VCC_3.3V_1 on BOTTOM: 73.2,7.1 74.3,7.1 75.5,5.9 80.2,5.9 80.5,6.2 80.5,9.5 80.7,9.7 81.6,9.7 81.8,9.5 81.8,5.6 81.2,5 73.1,5 72.9,5.2 72.9,6.8
VCC_3.3V_2 on TOP (solid shape): 73.81,31.93 73.9,31.9 74,31.89 74.07,31.86 74.1,31.79 74.1,30.2 73.9,30 71.9,30 71.9,30.8 72.1,31 72.1,31.1 72.12,31.13 72.19,31.26 72.21,31.4 72.21,31.94 73.79,31.94
VCC_3.3V_2 on BOTTOM: 73.3,32.2 74.2,32.2 75.4,31 80,31 80.5,31.5 80.5,34.4 80.7,34.6 81.1,34.6 81.3,34.4 81.3,30.4 80.9,30 73.2,30 72.9,30.3 72.9,31.8
VCC_3.3V_3 on TOP (solid shape): 73.81,56.83 73.9,56.8 74,56.79 74.07,56.76 74.1,56.69 74.1,55.1 73.9,54.9 71.9,54.9 71.9,55.7 72.1,55.9 72.1,56 72.12,56.03 72.19,56.16 72.21,56.3 72.21,56.84 73.79,56.84
VCC_3.3V_3 on BOTTOM: 73.2,57 73.8,57 74.9,55.9 80.3,55.9 80.6,56.2 80.6,59.3 80.8,59.5 81.7,59.5 81.9,59.3 81.9,55.5 81.3,54.9 73.3,54.9 72.9,55.3 72.9,56.7
VCC_3.3V_4 on TOP (solid shape): 73.81,81.93 73.9,81.9 74,81.89 74.07,81.86 74.1,81.79 74.1,80.2 73.9,80 71.9,80 71.9,80.8 72.1,81 72.1,81.1 72.12,81.13 72.19,81.26 72.21,81.4 72.21,81.94 73.79,81.94
VCC_3.3V_4 on BOTTOM: 73.2,82 74,82 75.1,80.9 80.2,80.9 80.5,81.2 80.5,84.4 80.8,84.7 81.7,84.7 81.9,84.5 81.9,80.2 81.5,79.8 73.4,79.8 73,80.2 73,81.8
VCC_VBUS on TOP: 20.2,50.7 16.7,50.7 16.5,50.5 16.5,48.2 16.7,48 20.2,48
VCC_VBUS on BOTTOM: 6.7,47.7 8.3,47.7 11.3,50.7 18.1,50.7 18.6,50.2 18.6,42.7 17.3,41.4 9.1,41.4 8.2,42.3 6.7,42.3 6.7,42.9 14,42.9 14.3,43.2 14.3,44.4 16.3,44.4 16.8,44.9 16.8,47.6 16.2,48.2 11.9,48.2 10.8,47.1 6.7,47.1
(no net) on TOP: 71.9,30 71.9,30.8 72.1,31 72.1,32.1 74.1,32.1 74.1,30.2 73.9,30
(no net) on TOP: 71.9,54.9 71.9,55.7 72.1,55.9 72.1,57 74.1,57 74.1,55.1 73.9,54.9
(no net) on TOP: 71.9,5 71.9,5.8 72.1,6 72.1,7.1 74.1,7.1 74.1,5.2 73.9,5
(no net) on TOP: 71.9,80 71.9,80.8 72.1,81 72.1,82.1 74.1,82.1 74.1,80.2 73.9,80

## Text on the board
Ref Des/Silkscreen Top: HY_4S_V10 | 20201216 | XXXLZJXXX | T | R | V | G
BODY_CENTER: FIGURE | FINISHED_SIZE | 0.254 | 0.8 | 1.1 | 2.3 | 1.2x0.6 | 1.7x0.6 | DRILL CHART: TOP to BOTTOM | ALL UNITS ARE IN MILLIMETERS | PLATED | QTY | 236 | 4 | 16 | 2 | 262 | TOTAL HOLES:
